# Altium PCB MB1842.PcbDoc (part 1 of 2)
Units mm, origin at the board's own origin, x right, y up, seen from the top; angles counter-clockwise.
Board outline 64.57 x 35 mm, 4 copper layers (Top Layer, MidLayer 1, MidLayer 2, Bottom Layer), stack 1.066 mm thick; 81 components, 72 nets, 272 pads, 1151 vias.
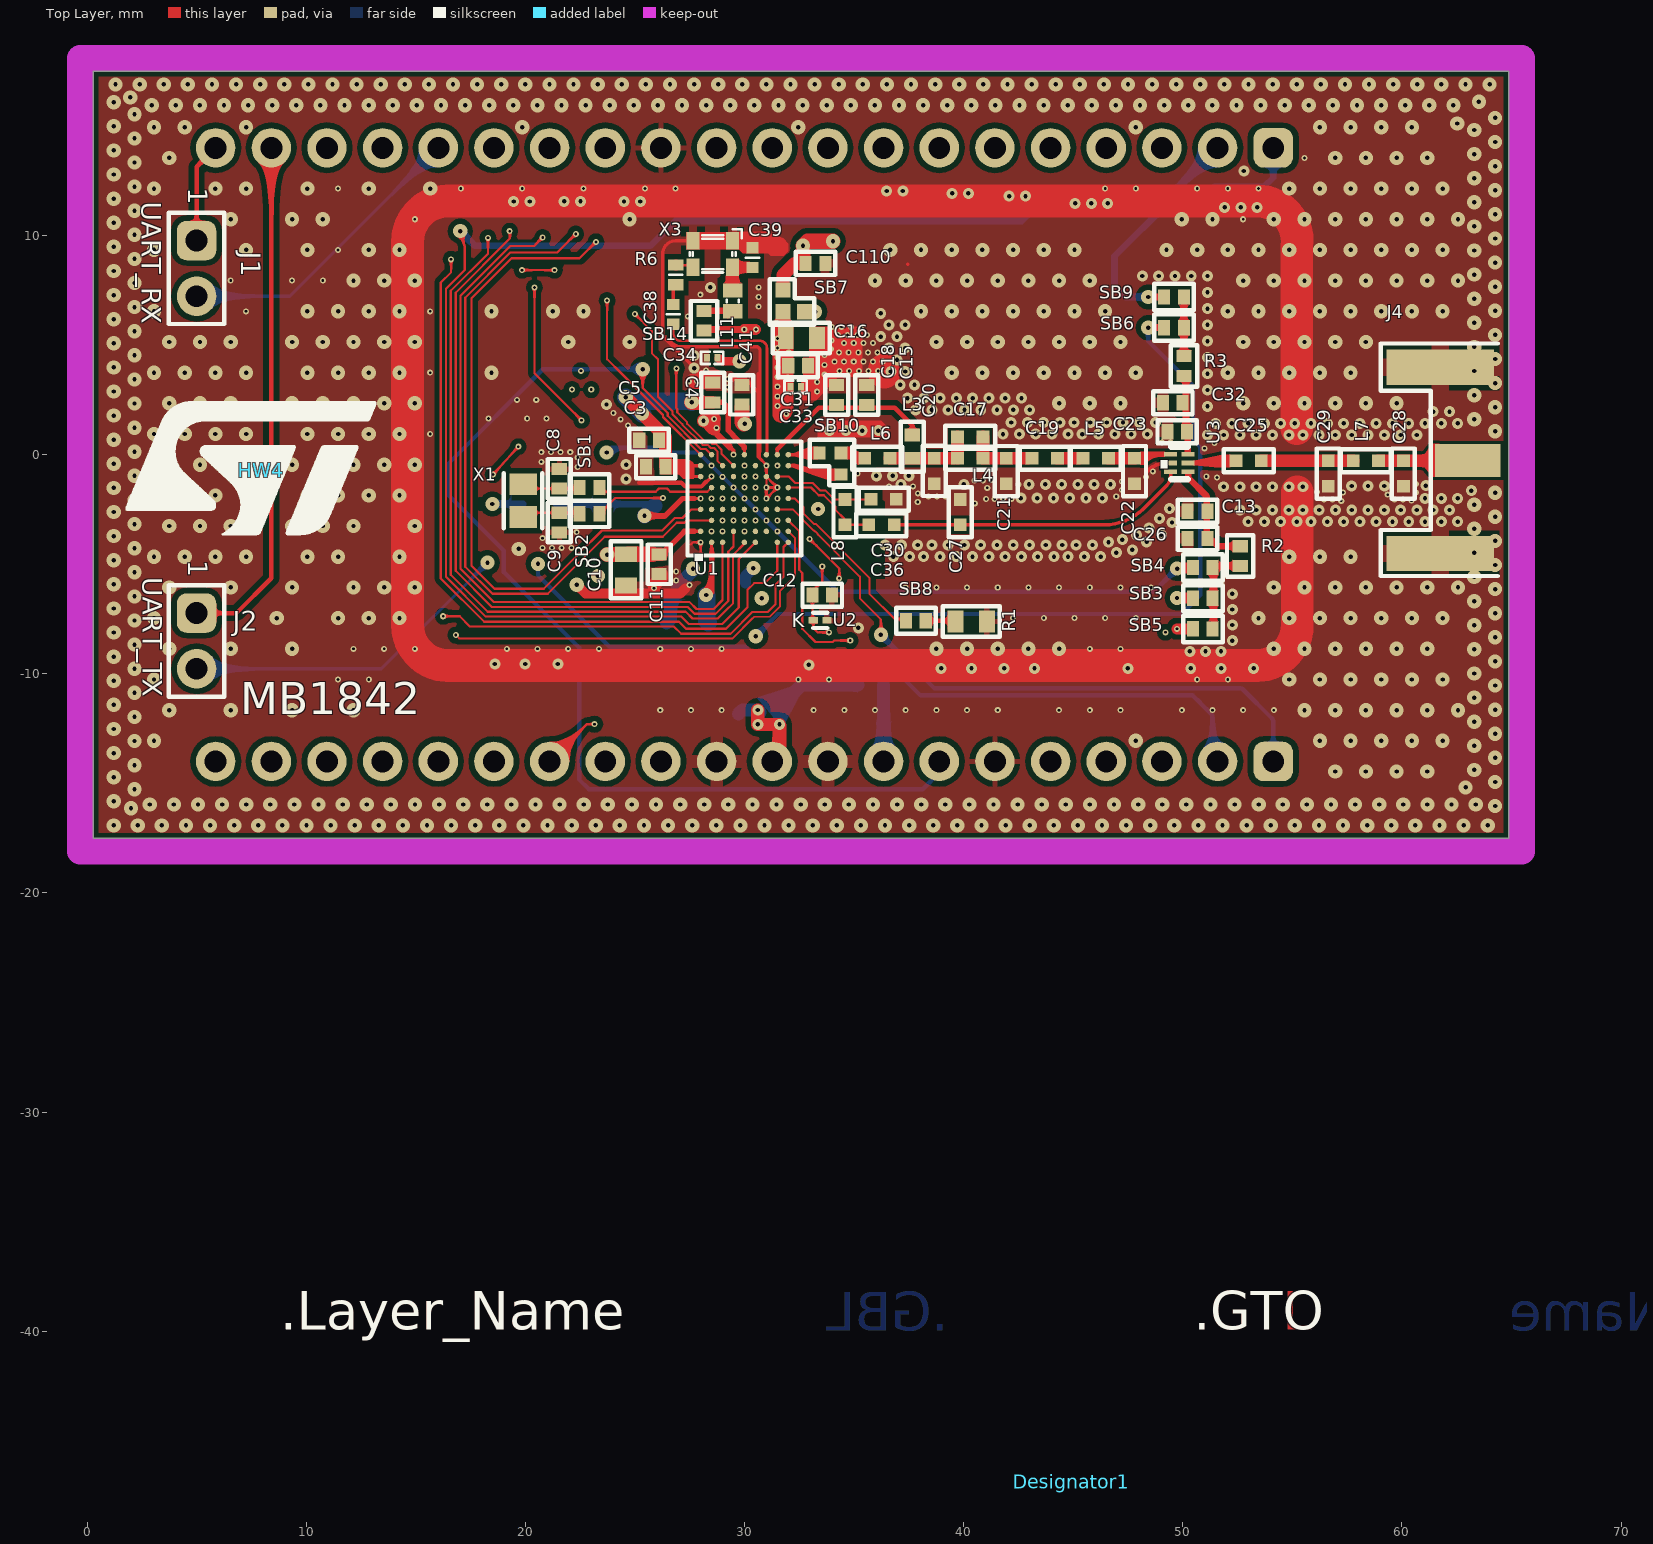
[diagram p0: Top Layer view]
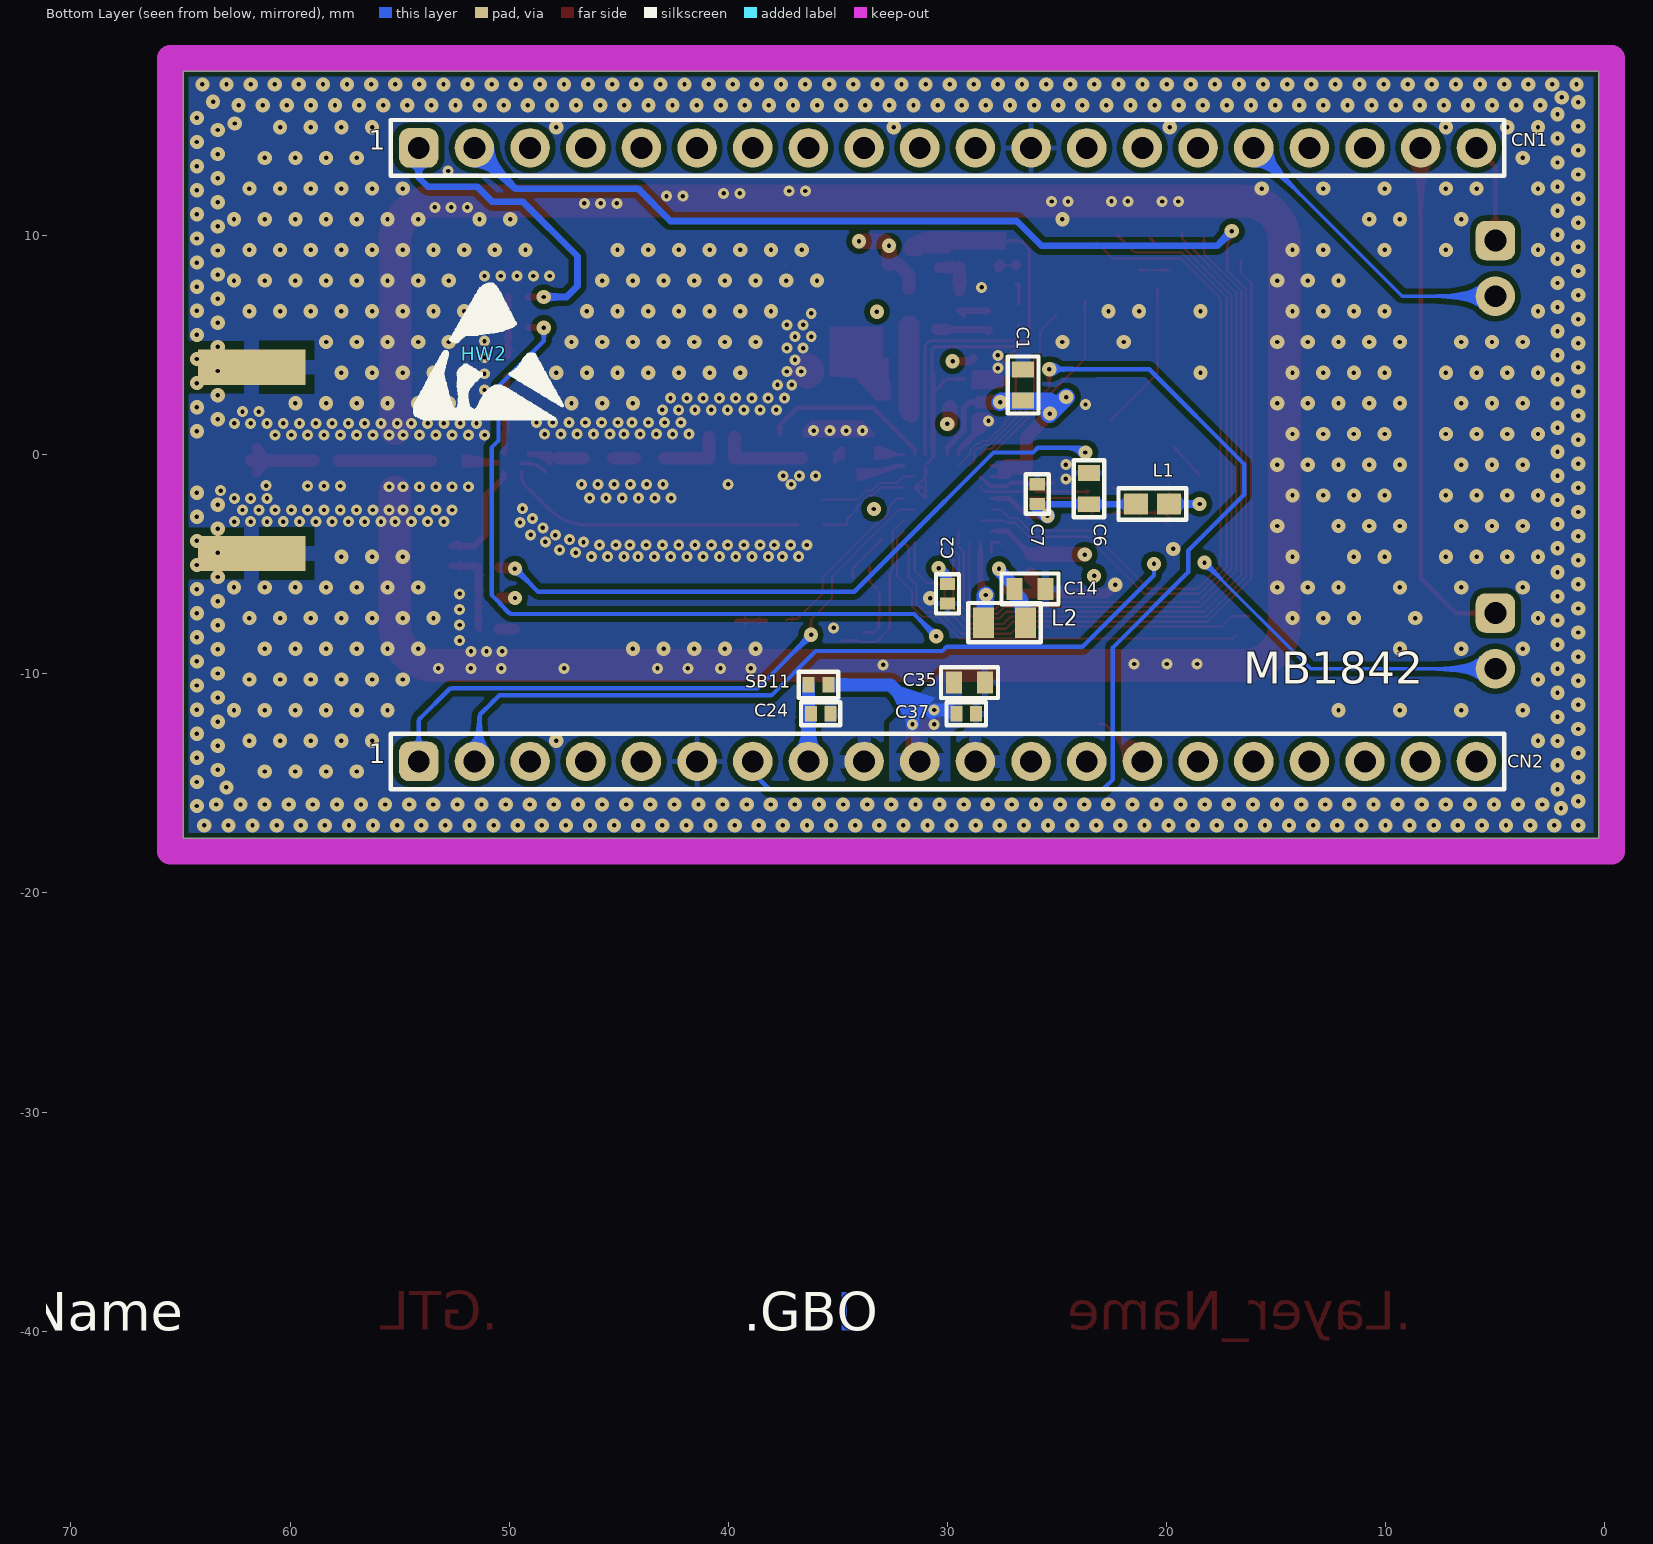
[diagram p1: Bottom Layer view, seen from below]
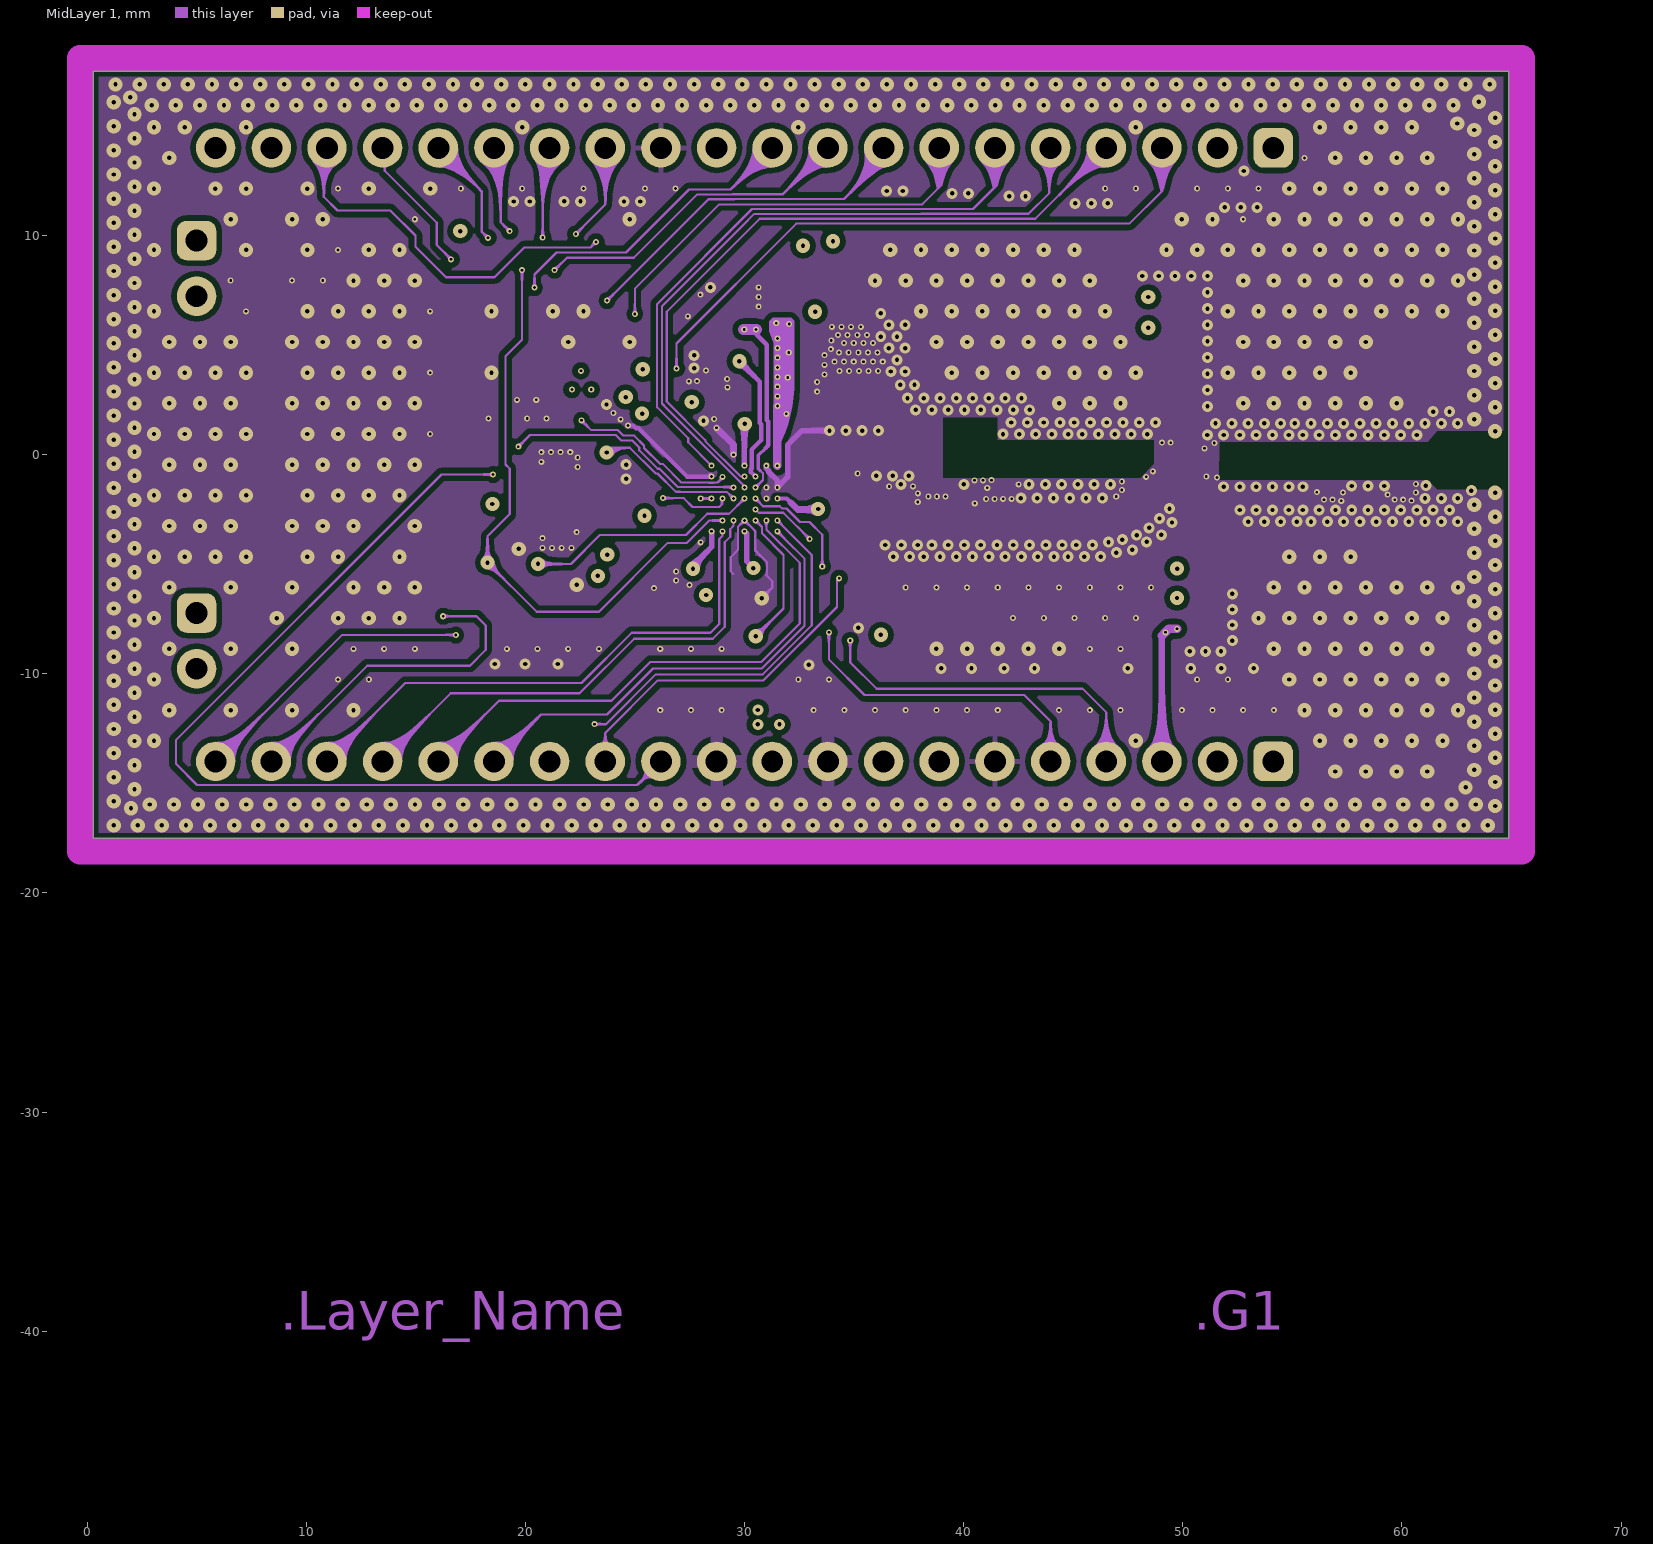
[diagram p2: MidLayer 1]
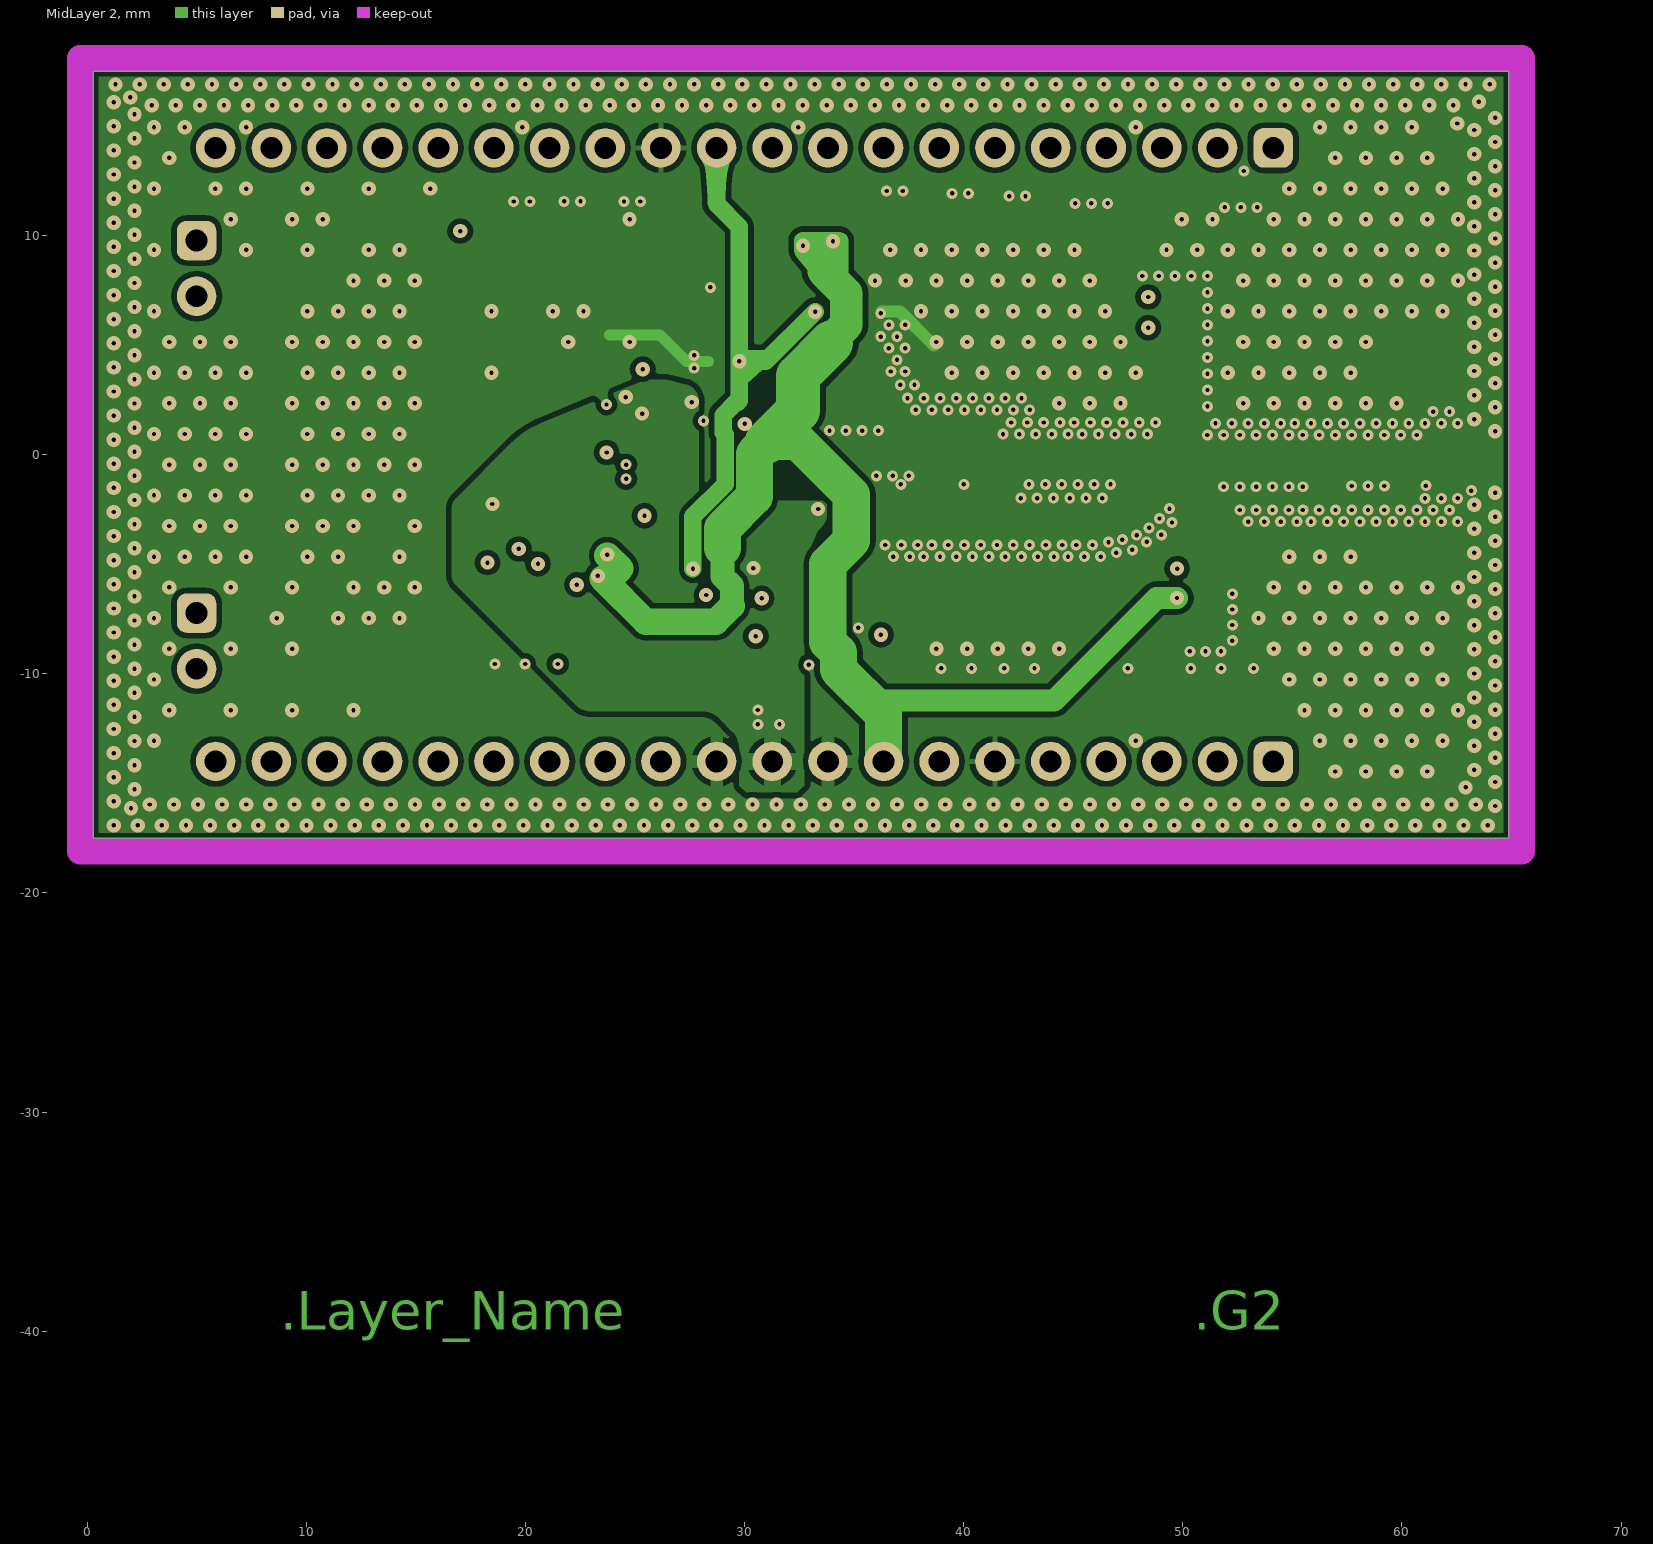
[diagram p3: MidLayer 2]
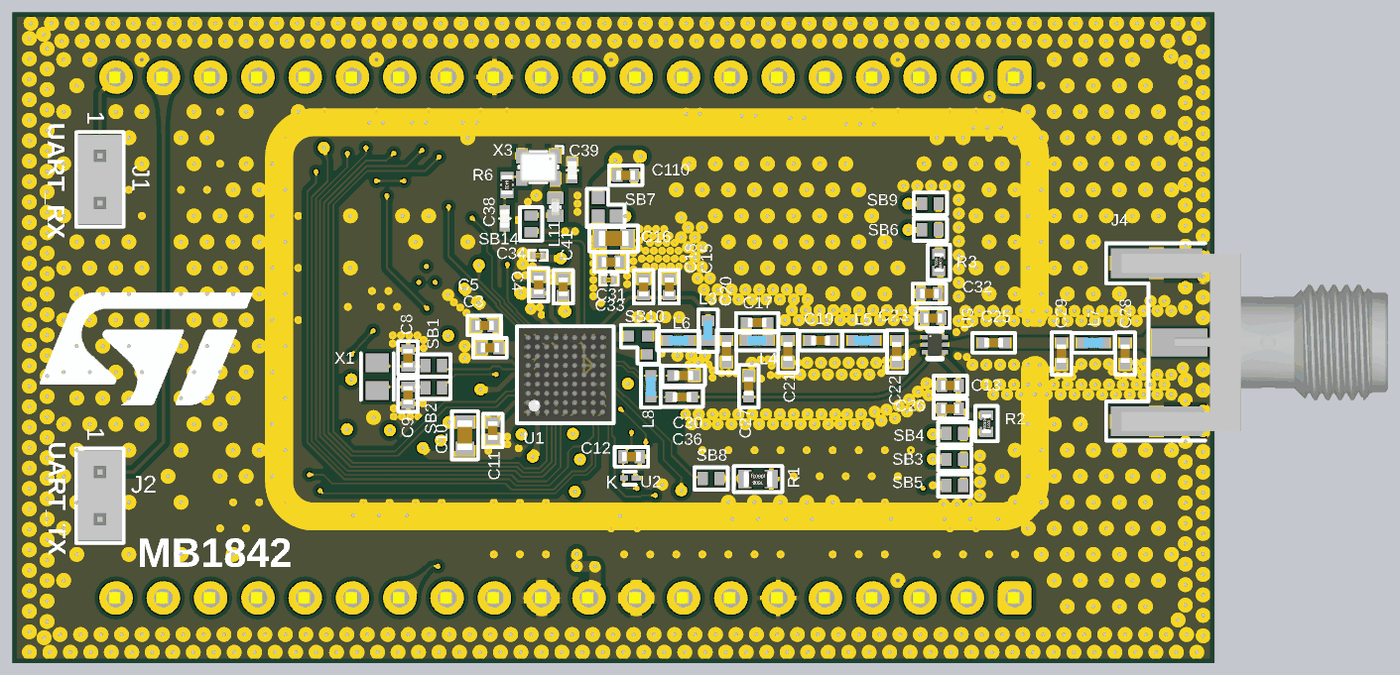
[diagram p5: 3D render of the assembled board from above, using the file's embedded part models]